# Altium PCB PCB.PcbDoc (part 3 of 5)
Units mm, origin at the board's own origin, x right, y up, seen from the top; angles counter-clockwise.
Board outline 112 x 68.3 mm, 8 copper layers (Top Layer (Sig 1), Ground Plane 1, Signal Layer 2, Power Plane 1, Power Plane 2, Signal Layer 3, Ground Plane 2, Bottom Layer (Sig 4)), stack 1.68 mm thick; 392 components, 293 nets, 1571 pads, 926 vias.
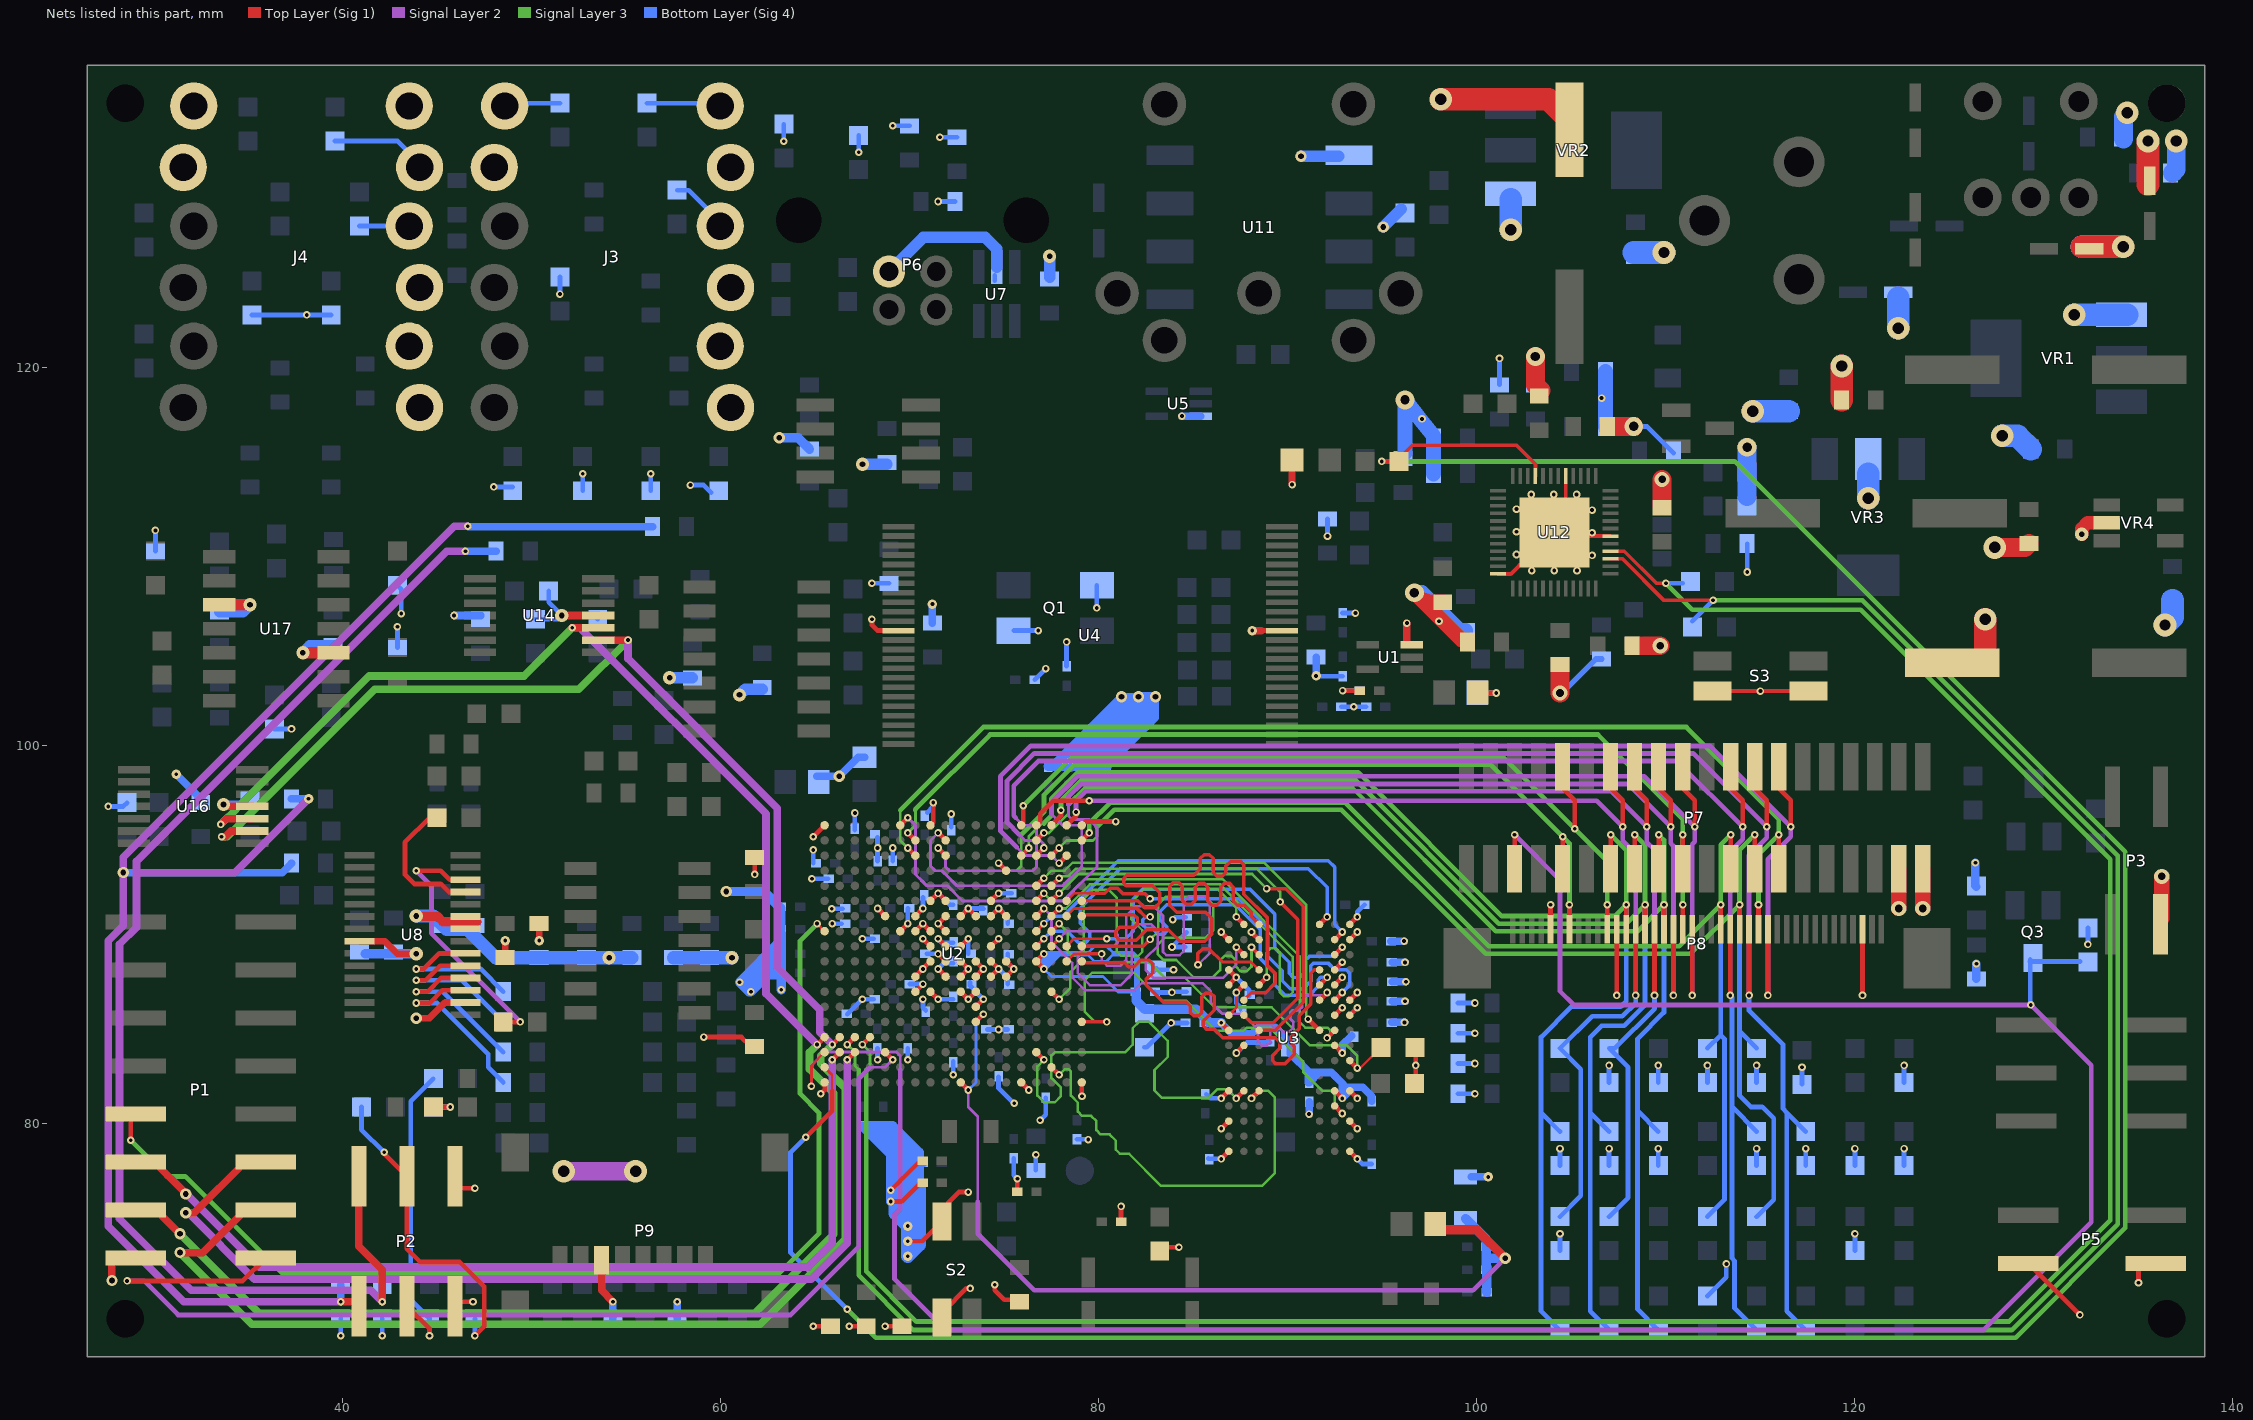
[diagram p9: the nets of this part, all layers, seen from the top]

## Via types
v1: diameter 0.4, hole 0.2, Top Layer (Sig 1) to Bottom Layer (Sig 4), tented top, 394 vias
v2: diameter 0.4, hole 0.2, Top Layer (Sig 1) to Bottom Layer (Sig 4), 265 vias
v3: diameter 0.4, hole 0.2, Top Layer (Sig 1) to Bottom Layer (Sig 4), tented bottom, 83 vias
v4: diameter 0.5, hole 0.2, Top Layer (Sig 1) to Bottom Layer (Sig 4), 44 vias
v5: diameter 1.2, hole 0.6, Top Layer (Sig 1) to Bottom Layer (Sig 4), 27 vias
v6: diameter 0.6, hole 0.3, Top Layer (Sig 1) to Bottom Layer (Sig 4), tented bottom, 15 vias
v7: diameter 0.7, hole 0.3, Top Layer (Sig 1) to Bottom Layer (Sig 4), 15 vias
v8: diameter 0.7, hole 0.3, Top Layer (Sig 1) to Bottom Layer (Sig 4), tented bottom, 13 vias
v9: diameter 0.6, hole 0.3, Top Layer (Sig 1) to Bottom Layer (Sig 4), 10 vias
v10: diameter 0.5, hole 0.2, Top Layer (Sig 1) to Bottom Layer (Sig 4), tented top, 10 vias
v11: diameter 0.5, hole 0.2, Top Layer (Sig 1) to Bottom Layer (Sig 4), tented bottom, 9 vias
v12: diameter 0.6, hole 0.3, Top Layer (Sig 1) to Bottom Layer (Sig 4), tented top, 9 vias
v13: diameter 0.8, hole 0.4, Top Layer (Sig 1) to Bottom Layer (Sig 4), 8 vias
v14: diameter 1, hole 0.5, Top Layer (Sig 1) to Bottom Layer (Sig 4), tented top, 7 vias
v15: diameter 1, hole 0.5, Top Layer (Sig 1) to Bottom Layer (Sig 4), tented bottom, 5 vias
v16: diameter 1.2, hole 0.6, Top Layer (Sig 1) to Bottom Layer (Sig 4), tented bottom, 4 vias
v17: diameter 0.8, hole 0.4, Top Layer (Sig 1) to Bottom Layer (Sig 4), tented bottom, 3 vias
v18: diameter 0.8, hole 0.4, Top Layer (Sig 1) to Bottom Layer (Sig 4), tented top, 2 vias
v19: diameter 0.4, hole 0.2, Top Layer (Sig 1) to Bottom Layer (Sig 4), tented both sides, 1 vias
v20: diameter 0.7, hole 0.3, Top Layer (Sig 1) to Bottom Layer (Sig 4), tented top, 1 vias
v21: diameter 1.2, hole 0.6, Top Layer (Sig 1) to Bottom Layer (Sig 4), tented top, 1 vias

## Nets (pads, with @x,y where several pads share a name; then routed paths per layer and width w, separated by ;. In a path a pad name is that pad's centre, name@x,y a point inside that pad or via, vN(x,y) a via of type N, cw(c..) or ccw(c..) an arc to the next point about the centre after c; other vN are vias at no path point) (continued)
AGND: C123.2 C124.2 C129.2 C130.2 C131.2 C136.2 C137.1 C138.1 C139.1 C140.2 C179.2 C182.1 C185.2 C186.2 C188.1 C189.1 C193.2 C196.1 C201.1 C205.1 C207.2 C209.1 J3.1 J3.2 J3.3 J3.4 J3.7 J3.8 J3.9 J3.10 J4.1 J4.2 J4.3 J4.4 J4.7 J4.8 J4.9 J4.10 R63.2 R75.2 R93.1 R94.1 R95.2 R96.2 R99.2 R100.2 R108.1 R109.1 R110.2 R111.2 R114.2 R115.2 R119.2 R124.1 R125.2 R131.2 R136.1 R137.2 U8.16 U8.22 U8.23 U17.3 U17.10 | length 81
  Top Layer (Sig 1) w0.25: R75.2@44.8,80.9 v2(45.7,80.9) ; v3(59.1,84.6) 61.1,84.6 C123.2@61.6,84.1 ; v2(61.8,93.2) C130.2@61.8,94.1
  Top Layer (Sig 1) w0.35: v9(43.9,85.6) 44.6,85.6 45.425,86.425 U8.16@46.5,86.425
  Top Layer (Sig 1) w0.5: v7(43.9,91) 45,91 45.3,90.7 47.1,90.7
  Top Layer (Sig 1) w0.6: U17.3@33.477,107.47 v7(35.1,107.47) ; v8(37.9,104.93) U17.10@39.523,104.93
  Signal Layer 2 w1: v16(51.7,77.5) 53.8,77.5
  Bottom Layer (Sig 4) w0.25: C201.1@30.1,110.3 v1(30.1,111.4) ; R125.2@35.2,122.8 R137.2@39.4,122.8 ; R124.1@36.4,100.9 v2(37.3,100.9) ; R131.2@39.6,132 42.9,132 J4.7@44.3,130.6 ; v2(39.9,68.8) R115.2@39.9,69.7 ; R119.2@40.9,127.5 J4.2@43.75,127.5 ; v2(42.1,68.8) R100.2@42.1,69.7 ; C205.1@42.9,105.2 v2(42.9,106.3) ; R136.1@42.9,108.5 43.1,108.3 v2(43.1,107) ; R63.2@44.8,80.9 v2(45.7,80.9) ; v1(48,113.7) R94.1@49,113.7 ; J3.4@48.8,133.85 48.95,134 R110.2@51.5,134 ; v2(51.5,123.9) R93.1@51.5,124.8 ; R111.2@52.7,113.5 v2(52.7,114.4) ; R95.2@56.1,134 60.05,134 J3.1@60.2,133.85 ; R109.1@56.3,113.5 v2(56.3,114.4) ; R108.1@57.7,129.4 58.3,129.4 J3.2@60.2,127.5 ; v3(58.4,113.8) 59.1,113.8 R96.2@59.5,113.4 ; v2(63.343,131.991) R114.2@63.343,132.891 ; v2(67.3,131.4) R99.2@67.3,132.3 ; v2(68,108.6) C196.1@68.9,108.6 ; v2(69.1,132.8) C193.2@70,132.8 ; v2(71.5,128.8) C182.1@72.4,128.8 ; v2(71.6,132.2) C179.2@72.5,132.2
  Bottom Layer (Sig 4) w0.5: v6(63.1,116.3) 64.1,116.3 C185.2@64.7,115.7
  Bottom Layer (Sig 4) w0.6: C207.2@33.5,107.1 34.73,107.1 v7(35.1,107.47) ; v8(37.9,104.93) 38.27,105.3 C209.1@39.5,105.3 ; v8(57.3,103.6) C186.2@58.5,103.6 ; v8(61,102.7) 61.3,103 C188.1@62.2,103 ; v7(67.5,114.9) C189.1@68.8,114.9
  Bottom Layer (Sig 4) w0.7: v7(43.9,91) 44.8,91 45.5,90.3 46.6,90.3 48.1,88.8 C129.2@48.6,88.8 C124.2@50.4,88.8 C138.1@52.9,88.8 v7(54.1,88.8) C131.2@55.3,88.8 ; C140.2@57.5,88.8 C139.1@59.4,88.8 v7(60.6,88.8)
  other v2: 38.1,122.8
"AUDIO IN LEFT": C122.2 C194.1 P2.2 R115.1 | length 80.4
  Top Layer (Sig 1) w0.25: P2.2@40.631,70.6 P2.2@40.86,70.371 ; P2.2@40.66,69.2 P2.2@40.86,69
  Top Layer (Sig 1) w0.4: v2(39.9,70.6) P2.2@40.631,70.6
  Signal Layer 2 w0.4: v2(39.9,70.6) 31.6,70.6 27.6,74.6 27.6,89.7 28.4,90.5 v6(28.4,93.3) 28.4,94.107 45.918,111.625 v1(46.625,111.625)
  Bottom Layer (Sig 4) w0.4: v6(28.4,93.3) 36.8,93.3 C122.2@37.3,93.8 ; v2(39.9,70.6) R115.1@39.9,71.5 ; v1(46.625,111.625) 46.65,111.6 C194.1@56.4,111.6
"AUDIO IN RIGHT": C127.2 C180.1 P2.1 R100.1 | length 80.5
  Top Layer (Sig 1) w0.4: P2.1@40.86,77.229 40.86,73.54 42.1,72.3 v2(42.1,70.6)
  Signal Layer 2 w0.4: v4(38.2,97.2) 34.3,93.3 29.1,93.3 ; v2(42.1,70.6) 41.5,71.2 32,71.2 28.2,75 28.2,89.5 29.1,90.4 29.1,93.3 ; v2(46.5,110.3) 45.5,110.3 29.1,93.9 29.1,93.3
  Bottom Layer (Sig 4) w0.4: C127.2@37.3,97.2 v4(38.2,97.2) ; v2(42.1,70.6) R100.1@42.1,71.5 ; v2(46.5,110.3) C180.1@48.125,110.3
"AUDIO OUT LEFT": P2.4 R1.1 R59.2 | length 16.6
  Top Layer (Sig 1) w0.25: P2.4@43.4,70.371 44.6,69.171 v2(44.6,68.8)
  Bottom Layer (Sig 4) w0.25: v2(44.6,68.8) R1.1@44.6,69.7 43.6,70.7 43.6,81.2 R59.2@44.8,82.4
"AUDIO OUT RIGHT": P2.3 R2.1 R72.2 | length 17.1
  Top Layer (Sig 1) w0.25: v2(42.2,78.5) 42.2,78.429 P2.3@43.4,77.229 43.4,73.4 44.1,72.7 46.2,72.7 47.5,71.4 47.5,69.3 v2(47,68.8)
  Bottom Layer (Sig 4) w0.25: R72.2@41,80.9 41,79.7 v2(42.2,78.5) ; v2(47,68.8) R2.1@47,69.7
BA0: U2.C4 U3.M2 | length 22.7
  Top Layer (Sig 1) w0.25: U2.C4@76.7,83.8 v1(77.1,83.4) ; v1(87.28,81.355) U3.M2@87.679,81.755
  Signal Layer 3 w0.133: v1(77.1,83.4) 76.75,83.051 76.75,81.5 77.1,81.15 77.675,81.15 78,81.475 78,81.925 77.499,82.426 77.499,83.624 77.681,83.806 81.406,83.806 81.8,84.2 81.8,85.075 82.125,85.4 82.65,85.4 83.65,84.4 83.65,83.55 82.95,82.85 82.95,81.775 83.344,81.381 85.806,81.381 86.275,81.85 86.784,81.85 v1(87.28,81.355)
BA1: U2.E1 U3.N8 | length 22.6
  Top Layer (Sig 1) w0.184: U2.E1@79.1,85.4 v1(80.427,85.401)
  Top Layer (Sig 1) w0.25: U3.N8@92.48,80.955 v1(92.88,80.555)
  Signal Layer 3 w0.134: v1(80.427,85.401) 79.799,85.401 79.25,85.95 79.25,87.6 79.65,88 81.875,88 83.35,86.525 84.625,86.525 86.225,84.925 87.655,84.925 87.83,85.1 89.027,85.1 90.813,83.314 90.813,82.762 91.825,81.75 92.275,81.75 92.475,81.55 92.475,80.96 v1(92.88,80.555)
BA2: U2.B3 U3.M3 | length 22.6
  Top Layer (Sig 1) w0.25: U2.B3@77.5,83 v1(77.9,82.6) ; v1(88.08,81.355) U3.M3@88.479,81.755
  Signal Layer 3 w0.134: v1@77.901,82.6 78.205,82.905 78.396,82.905 78.523,82.778 78.523,81.502 78.9,81.125 78.9,80.65 79.125,80.425 79.6,80.425 79.875,80.15 79.875,79.675 80.1,79.45 80.575,79.45 80.9,79.125 80.9,78.65 81.125,78.425 81.6,78.425 83.3,76.725 88.625,76.725 89.318,77.418 89.318,81.407 88.975,81.75 88.55,81.75 88.155,81.355 v1(88.08,81.355)
C_VinL: R65.2 U8.25 | length 7.5
  Top Layer (Sig 1) w0.25: R65.2@45,96.2 44.6,96.2 43.3,94.9 43.3,93.2 43.8,92.7 45.2,92.7 45.625,92.275 U8.25@46.5,92.275
C_VinR: R71.2 U8.26 | length 14
  Top Layer (Sig 1) w0.25: v3(43.9,93.4) 45.2,93.4 45.675,92.925 U8.26@46.5,92.925 ; R71.2@48.5,85.4 v2(49.4,85.4)
  Signal Layer 2 w0.25: v3(43.9,93.4) 44.7,92.6 44.7,90.1 v2(49.4,85.4)
C_VoutL+: C142.2 U8.20 | length 8
  Top Layer (Sig 1) w0.25: v2(43.9,88.2) 44.3,88.2 45.125,89.025 U8.20@46.5,89.025
  Bottom Layer (Sig 4) w0.25: v2(43.9,88.2) 47.3,88.2 C142.2@48.5,87
C_VoutL-: C141.2 U8.19 | length 8.4
  Top Layer (Sig 1) w0.25: v2(43.9,87.6) 44.4,87.6 45.175,88.375 U8.19@46.5,88.375
  Bottom Layer (Sig 4) w0.25: v2(43.9,87.6) 46.3,87.6 C141.2@48.5,85.4
C_VoutR+: C144.2 U8.18 | length 8.8
  Top Layer (Sig 1) w0.25: v2(43.9,87) 44.5,87 45.225,87.725 U8.18@46.5,87.725
  Bottom Layer (Sig 4) w0.25: v2(43.9,87) 45.3,87 C144.2@48.5,83.8
C_VoutR-: C143.2 U8.17 | length 9.6
  Top Layer (Sig 1) w0.25: v2(43.9,86.4) 44.6,86.4 45.275,87.075 U8.17@46.5,87.075
  Bottom Layer (Sig 4) w0.25: v2(43.9,86.4) 45,86.4 47.7,83.7 47.7,83 C143.2@48.5,82.2
CKE: R13.2 U2.G3 U3.K9 | length 22.6
  Top Layer (Sig 1) w0.134: v1(93.68,82.955) 93.835,82.955 R13.2@94.93,84.05
  Top Layer (Sig 1) w0.25: U2.G3@77.5,87 v1(77.9,86.6) ; U3.K9@93.28,83.355 v1(93.68,82.955)
  Signal Layer 3 w0.134: v1@77.9,86.6 78.5,87.2 78.5,88.05 79,88.55 82.675,88.55 83.5,87.725 84.575,87.725 86.125,86.175 89.15,86.175 91.151,84.174 93.101,84.174 93.68,83.595 v1(93.68,82.955)
DDR_VREF: C14.1 C16.2 C17.2 C42.1 R4.1 R5.2 U2.J4 U3.H1 U3.M8 | length 37.8
  Top Layer (Sig 1) w0.25: v1(77.1,88.2) U2.J4@76.7,88.6 v1(77.1,89) ; v1(86.48,85.355) U3.H1@86.88,84.955 ; U3.M8@92.48,81.755 v1(92.88,81.355)
  Bottom Layer (Sig 4) w0.15: v1@77.108,88.208 77.516,87.8 80.225,87.8 81.035,86.99 C42.1@81.962,86.99 82.025,86.927 C42.1@82.03,86.922 ; 79.375,89 79.775,89.4 80.425,89.4 80.813,89.013 80.4,88.6 79.775,88.6 79.375,89
  Bottom Layer (Sig 4) w0.3: v1(77.1,88.2) v1(77.1,89) 77.9,89 ; v1@77.108,88.208 77.6,88.7 ; 77.225,88.7 77.6,88.7 ; 79.375,89 77.9,89 ; 80.813,89.013 81.787,89.013 82.025,88.775 C42.1@82.025,86.927 ; 77.6,88.7 77.9,89
  Bottom Layer (Sig 4) w0.4: v1@86.455,85.355 86.462,85.348 87.035,84.775 88.1,84.775 88.45,85.125 89.325,85.125 90.13,84.32 R4.1@90.13,84.08 90.13,83.72 91.125,82.725 91.667,82.725 ; C17.2@91.075,82.183 91.075,82.725 ; C17.2@91.125,82.183 91.667,82.725 ; 93.459,81.935 v1(92.88,81.355) 92.88,82.145 ; C14.1@94.45,81.208 94.45,81.475 93.975,81.95 93.075,81.95 92.88,82.145 ; 91.667,82.725 92.3,82.725 92.88,82.145
  Bottom Layer (Sig 4) w0.5: C42.1@81.975,86.927 81.975,86.525 82.425,86.075 85.15,86.075 85.877,85.348 86.462,85.348 v1@86.473,85.348
DML: U2.M2 U3.E7 | length 21.7
  Top Layer (Sig 1) w0.14: U2.M2@78.3,91 78.7,91.4 79.484,91.4
  Top Layer (Sig 1) w0.184: 79.484,91.4 82.025,91.4 82.47,90.955 v2(82.714,90.955)
  Top Layer (Sig 1) w0.25: U3.E7@91.68,87.355 v1(92.08,87.755)
  Bottom Layer (Sig 4) w0.184: v2(82.714,90.955) 82.48,90.955 82.325,90.8 82.325,90.525 82.505,90.345 82.83,90.345 83.15,90.025 83.425,90.025 83.6,90.2 83.6,90.425 83.222,90.803 83.222,91.222 83.6,91.6 87.225,91.6 88.556,90.27 88.556,88.746 89.318,87.984 89.318,87.357 89.875,86.8 91.125,86.8 91.604,87.279 91.604,87.628 91.731,87.755 v1(92.08,87.755)
DMU: U2.J2 U3.D3 | length 24
  Top Layer (Sig 1) w0.14: U2.J2@78.3,88.6 78.695,88.995 79.395,88.995
  Top Layer (Sig 1) w0.15: 86.525,88.575 88.06,88.575 U3.D3@88.48,88.155
  Top Layer (Sig 1) w0.184: 79.395,88.995 v1@80.15,88.995 ; v2(85.25,88.425) 85.25,89.025 85.5,89.275 85.825,89.275 86.525,88.575
  Signal Layer 2 w0.134: v1(80.15,89) 80.15,88.65 80.425,88.375 81.15,88.375 81.45,88.675 81.45,91 81.975,91.525 82.9,91.525 83.4,91.025 83.4,89.1 83.575,88.925 84.275,88.925 84.5,89.15 84.5,91.775 84.775,92.05 85.6,92.05 85.875,91.775 85.875,89.05 v2(85.25,88.425)
DQ0: U2.M3 U3.E3 | length 22.6
  Top Layer (Sig 1) w0.25: U2.M3@77.5,91 v1(77.9,91.4) ; U3.E3@88.48,87.355 v1(88.88,87.755)
  Signal Layer 3 w0.134: v1(77.9,91.4) 78.256,91.4 79.531,92.675 86.425,92.675 90.264,88.836 90.264,86.97 90.059,86.765 89.778,86.765 89.572,86.972 89.572,89.078 89.365,89.285 89.085,89.285 88.88,89.08 v1(88.88,87.755)
DQ1: U2.M4 U3.F7 | length 24
  Top Layer (Sig 1) w0.25: U2.M4@76.7,91 v1(77.1,91.4) ; U3.F7@91.68,86.555 v1(92.08,86.955)
  Signal Layer 2 w0.134: v1(77.1,91.4) 77.501,91 77.501,89.624 78.6,88.525 78.6,87.75 79.275,87.075 81.9,87.075 82.275,87.45 85.5,87.45 85.925,87.025 85.925,86.45 86.55,85.825 87.6,85.825 88.425,85 88.425,84.35 88.625,84.15 88.875,84.15 89.075,84.35 89.075,84.925 89.275,85.125 89.525,85.125 89.775,84.875 90.075,84.875 90.3,85.1 90.3,85.4 90.125,85.575 90.125,85.875 90.275,86.025 90.6,86.025 90.775,86.2 90.775,86.6 90.975,86.8 91.925,86.8 v1(92.08,86.955)
DQ2: U2.N1 U3.F2 | length 25
  Top Layer (Sig 1) w0.184: U2.N1@79.1,91.8 82.073,91.8 82.423,91.45 82.975,91.45 83.225,91.7 83.225,92.225 82.844,92.606 81.444,92.606 81.317,92.733 81.317,92.987 81.48,93.15 85.025,93.15 85.375,93.5 85.375,94.05 85.575,94.25 85.85,94.25 86.05,94.05 86.05,93.3 86.25,93.1 86.525,93.1 86.725,93.3 86.725,93.65 86.975,93.9 87.5,93.9 87.675,93.725 87.675,92.15 88.925,90.9 88.925,88.375 89.325,87.975 89.325,87.45 88.825,86.95 88.075,86.95 U3.F2@87.68,86.555
DQ3: U2.N2 U3.F8 | length 21.7
  Top Layer (Sig 1) w0.14: U2.N2@78.3,91.8 78.7,92.2 79.484,92.2
  Top Layer (Sig 1) w0.184: 79.484,92.2 80.322,92.198 80.601,92.475 80.993,92.475 81.277,92.191 82.443,92.191 v2@82.714,91.921
  Top Layer (Sig 1) w0.25: U3.F8@92.48,86.555 v1(92.88,86.955)
  Bottom Layer (Sig 4) w0.184: v2@82.714,91.921 87.413,91.921 88.937,90.397 88.937,88.873 89.7,88.109 89.7,87.575 90.125,87.15 90.825,87.15 91.223,87.548 91.223,88.365 91.35,88.492 92.156,88.492 92.493,88.155 93.083,88.155 93.28,87.959 93.28,87.355 v1(92.88,86.955)
  other v2: 82.714,91.919
DQ4: U2.N3 U3.H3 | length 22.7
  Top Layer (Sig 1) w0.184: U3.H3@88.48,84.955 89.33,84.955 90.825,86.45 90.825,91.525 89.896,92.454 v1(88.881,92.454)
  Top Layer (Sig 1) w0.25: U2.N3@77.5,91.8 v1(77.9,92.2)
  Signal Layer 3 w0.134: v1(77.9,92.2) 78.925,93.225 88.11,93.225 v1(88.881,92.454)
DQ5: U2.N4 U3.H8 | length 22.7
  Top Layer (Sig 1) w0.25: U2.N4@76.7,91.8 v1(77.1,92.2) ; v1(92.08,84.555) U3.H8@92.48,84.955
  Signal Layer 3 w0.134: v1(77.1,92.2) 77.5,91.8 78.125,91.8 79.275,92.95 86.55,92.95 90.625,88.875 90.625,85.4 90.925,85.1 92.1,85.1 92.25,84.95 92.25,84.726 v1(92.08,84.555)
DQ6: U2.P3 U3.G2 | length 22.5
  Top Layer (Sig 1) w0.184: U3.G2@87.68,85.755 88.083,85.352 89.227,85.352 90.525,86.65 90.525,90.818 v1(89.597,91.746)
  Top Layer (Sig 1) w0.25: U2.P3@77.5,92.6 v1(77.9,93)
  Signal Layer 3 w0.134: v1@77.901,93.101 78.376,93.101 78.775,93.5 88.375,93.5 89.597,92.278 v1(89.597,91.746)
DQ7: U2.P4 U3.H7 | length 22.6
  Top Layer (Sig 1) w0.25: U2.P4@76.7,92.6 v1(77.1,93) ; v1(91.075,85.55) 91.08,85.55 U3.H7@91.675,84.955
  Signal Layer 3 w0.134: v1(77.1,93) 77.501,93.401 78.201,93.401 78.625,93.825 88.75,93.825 90.975,91.6 90.975,85.65 v1(91.075,85.55)
DQ8: U2.J1 U3.D7 | length 25
  Top Layer (Sig 1) w0.184: U2.J1@79.1,88.525 81.375,88.525 81.575,88.325 81.875,88.325 82.225,88.675 82.65,88.675 82.85,88.475 82.85,88 82.5,87.65 82.5,87.375 83.425,86.45 84.625,86.45 84.85,86.225 84.85,85.9 85.025,85.725 85.3,85.725 85.45,85.875 85.45,86.725 85.65,86.925 85.925,86.925 86.1,86.75 86.1,86.025 85.525,85.45 85.525,85.2 85.725,85 86.125,85 86.57,84.555 89.345,84.555 89.575,84.325 89.575,84 89.2,83.625 89.2,83.35 89.375,83.175 89.85,83.175 90.35,83.675 90.35,84.1 90.15,84.3 90.15,84.6 90.6,85.05 90.6,85.725 91.223,86.348 91.223,87.973 91.405,88.155 U3.D7@91.68,88.155
DQ9: U2.K1 U3.C3 | length 22.6
  Top Layer (Sig 1) w0.184: U2.K1@79.1,89.4 82.352,89.399 v2(82.714,89.762) ; v1(88.08,89.355) U3.C3@88.48,88.955
  Signal Layer 3 w0.134: v2(82.714,89.762) 83.15,90.198 83.15,91.625 83.55,92.025 85.625,92.025 86.05,91.6 86.05,90.25 85.65,89.85 83.475,89.85 83.125,89.5 83.125,88.975 83.425,88.675 84.1,88.675 85,87.775 86.05,87.775 86.42,88.145 86.42,88.655 86.67,88.905 86.995,88.905 87.25,88.65 87.25,88.325 87.5,88.075 87.825,88.075 88.08,88.33 v1(88.08,89.355)
DQ10: U2.K2 U3.C8 | length 21.8
  Top Layer (Sig 1) w0.14: U2.K2@78.3,89.4 78.699,89.799 v1(80.428,89.799)
  Top Layer (Sig 1) w0.25: U3.C8@92.48,88.955 v1(92.88,89.355)
  Bottom Layer (Sig 4) w0.184: v1(80.428,89.799) 81.424,89.799 81.825,90.2 81.825,91.92 82.333,92.428 87.997,92.428 89.318,91.107 89.318,89.307 90.075,88.55 90.075,87.975 90.3,87.75 90.625,87.75 90.85,87.975 90.85,88.575 91.147,88.872 92.397,88.872 v1(92.88,89.355)
DQ11: U2.K3 U3.C2 | length 24.1
  Top Layer (Sig 1) w0.184: U2.K3@77.5,89.4 v1(77.9,89.8)
  Top Layer (Sig 1) w0.25: v1(87.28,89.355) U3.C2@87.68,88.955
  Signal Layer 2 w0.134: v1(77.9,89.8) 78.3,90.2 80.8,90.2 81,90 81,89.6 80.816,89.416 79.316,89.416 78.9,89 78.9,87.975 79.525,87.35 81.175,87.35 81.75,87.925 81.75,90.2 82.125,90.575 82.773,90.575 83.125,90.223 83.125,89.425 82.475,88.775 82.475,88.15 82.9,87.725 86.575,87.725 87.28,88.43 v1(87.28,89.355)
DQ12: U2.K4 U3.A7 | length 21.8
  Top Layer (Sig 1) w0.184: U2.K4@76.7,89.4 v1(77.1,89.8)
  Top Layer (Sig 1) w0.25: U3.A7@91.68,90.555 v1(92.08,90.955)
  Bottom Layer (Sig 4) w0.184: v1(77.1,89.8) 77.501,90.2 78.325,90.2 78.925,89.6 79.3,89.6 79.525,89.825 79.525,90.125 79.025,90.625 79.025,91.406 81.126,93.508 91.092,93.508 92.08,92.52 v1(92.08,90.955)
DQ13: U2.L3 U3.A2 | length 22.7
  Top Layer (Sig 1) w0.183: U2.L3@77.5,90.2 v1(77.9,90.6)
  Top Layer (Sig 1) w0.25: v1(87.28,90.955) U3.A2@87.68,90.555
  Signal Layer 3 w0.134: v1(77.9,90.6) 78.35,90.15 78.35,89.125 78.55,88.925 79,88.925 79.2,89.125 79.2,91.9 79.7,92.4 80.525,92.4 80.95,91.975 80.95,89.15 81.2,88.9 82.1,88.9 82.3,89.1 82.3,90.25 81.725,90.825 81.725,91.75 82.4,92.425 86.275,92.425 87.286,91.414 v1@87.286,90.961
DQ14: U2.L4 U3.B8 | length 21.6
  Top Layer (Sig 1) w0.184: U2.L4@76.7,90.2 v1(77.1,90.6)
  Top Layer (Sig 1) w0.25: U3.B8@92.48,89.755 v1(92.88,90.155)
  Bottom Layer (Sig 4) w0.184: v1(77.1,90.6) 77.501,91 78.11,91 81.035,93.925 92.15,93.925 92.48,93.595 92.48,90.555 v1(92.88,90.155)
DQ15: U2.M1 U3.A3 | length 24.9
  Top Layer (Sig 1) w0.184: U2.M1@79.1,91.075 81.85,91.075 82.05,90.875 82.05,90.6 81.85,90.4 81.1,90.4 80.9,90.2 80.9,89.925 81.1,89.725 81.975,89.725 82.525,90.275 83.675,90.275 84.275,89.675 85.6,89.675 85.975,90.05 85.975,90.875 85.65,91.2 84.125,91.2 83.75,91.575 83.75,92.575 83.95,92.775 84.225,92.775 84.425,92.575 84.425,91.825 84.625,91.625 84.9,91.625 85.1,91.825 85.1,92.525 85.3,92.725 85.575,92.725 85.775,92.525 85.775,91.775 85.975,91.575 86.25,91.575 86.45,91.775 86.45,92.525 86.65,92.725 86.925,92.725 87.125,92.525 87.125,91.775 87.325,91.575 87.725,91.575 88.075,91.225 88.075,90.96 U3.A3@88.48,90.555
DSP_BYPASS: P1.15 U2.C14 | length 60.4
  Top Layer (Sig 1) w0.25: v2(28.6,71.7) 34.719,71.7 P1.15@35.929,72.91 ; U2.C14@68.7,83.8 v1(69.1,83.4)
  Signal Layer 2 w0.15: 67.9,83 68.7,83 v1(69.1,83.4)
  Signal Layer 2 w0.25: v2(28.6,71.7) 29.5,71.7 31.3,69.9 63.7,69.9 67.3,73.5 67.3,82.4 67.9,83
EXTINT: R85.1 U2.B18 U12.45 | length 163
  Top Layer (Sig 1) w0.15: U2.B18@65.5,83 65.9,82.6 65.9,81.75
  Top Layer (Sig 1) w0.2: R85.1@95.9,115.2 96.6,115.9 102.1,115.9 103.1,114.9 U12.45@103.1,114.275
  Top Layer (Sig 1) w0.25: v1(64.5,79.3) 65.9,80.7 65.9,81.75 ; v2(94.975,115.05) R85.1@95.875,115.05
  Signal Layer 3 w0.25: v1(66.7,70.2) 68.2,68.7 128.5,68.7 134.3,74.5 134.3,94.4 113.65,115.05 v2(94.975,115.05)
  Bottom Layer (Sig 4) w0.25: v1(64.5,79.3) 63.7,78.5 63.7,73.2 v1(66.7,70.2)
GND: C1.1 C2.1 C3.2 C4.1 C5.1 C6.1 C7.1 C10.1 C11.1 C12.1 C13.1 C15.1 C16.1 C17.1 C18.1 C19.1 C20.2 C21.2 C22.1 C23.2 C24.2 C25.2 C26.2 C27.2 C28.2 C29.2 C30.2 C31.2 C32.2 C33.2 C34.2 C35.2 C36.2 C37.2 C38.2 C39.1 C40.1 C41.1 C42.2 C43.1 C44.1 C45.1 C46.1 C49.2 C50.2 C51.1 C52.2 C53.2 C54.2 C55.2 C56.2 C57.2 C58.2 C59.2 C60.2 C61.2 C62.2 C63.2 C64.2 C65.2 C66.2 C67.2 C68.2 C69.2 C70.2 C71.2 C72.2 C73.2 C74.2 C75.2 C76.2 C77.2 C78.2 C79.2 C80.2 C81.2 C82.2 C83.1 C84.1 C85.1 C86.1 C87.1 C88.2 C89.2 C90.2 C91.2 C92.2 C93.2 C94.2 C95.1 C96.1 C97.1 C98.1 C99.2 C100.2 C101.2 C102.2 C103.2 C106.1 C107.2 C108.1 C109.2 C110.2 C111.2 C112.2 C113.2 C114.1 C115.2 C116.1 C117.1 C118.2 C132.2 C133.1 C134.2 C135.1 C158.1 C159.1 C160.1 C161.1 C162.1 C163.2 C164.1 C165.2 C166.1 C167.2 C168.1 C169.1 C170.1 C171.1 C172.1 C173.1 C174.2 C175.2 C187.2 C208.2 D3.2 D4.2 D7.1 D8.1 D11.1 L3.1 P1.16 P2.5 P2.6 P3.4 P5.3 P5.4 P6.4 P7.2 P7.4 P8.3 P8.29 P8.36 P9.6 Q1.2 Q1.4 R5.1 R11.2 R13.1 R14.1 R15.1 R16.1 R19.1 R36.1 R37.1 R38.1 R39.1 R40.1 R41.1 R42.1 R43.1 R44.1 R45.1 R46.1 R47.1 R48.1 R49.1 R50.1 R51.1 R80.1 R87.1 R88.1 R102.2 R103.2 R104.2 R127.2 R128.2 S2.1 S2.3 S3.1 S3.3 U1.3 U2.A1 U2.A5 U2.A18 U2.F8 U2.G8 U2.G9 U2.G11 U2.G12 U2.H6 U2.H7 U2.H8 U2.H9 U2.H10 U2.H12 U2.J6 U2.J7 U2.J8 U2.J9 U2.J10 U2.J11 U2.K7 U2.K9 U2.K10 U2.K11 U2.L10 U2.L11 U2.L12 U2.L13 U2.M6 U2.M7 U2.M8 U2.M9 U2.M10 U2.M12 U2.M14 U2.N7 U2.N10 U2.N11 U2.V1 U2.V11 U2.V18 U3.A9 U3.B1 U3.B3 U3.B9 U3.D1 U3.D8 U3.E1 U3.E2 U3.E8 U3.F9 U3.G1 U3.G8 U3.G9 U3.J2 U3.J8 U3.M1 U3.M9 U3.P1 U3.P9 U3.T1 U3.T9 U4.13 U4.36 U5.3 U7.2 U8.8 U11.5 U12.12 U12.30 U12.41 U12.49 U14.4 U16.4 VR1.1 VR2.1 VR3.2 VR4.2 | length 399.7